# Altium PCB AIWAC-bolster-V02_Change.PcbDoc (part 1 of 2)
Units mm, origin at the board's own origin, x right, y up, seen from the top; angles counter-clockwise.
Board outline 76 x 70 mm, 2 copper layers (Top Layer, Bottom Layer); 187 components, 126 nets, 678 pads, 558 vias.
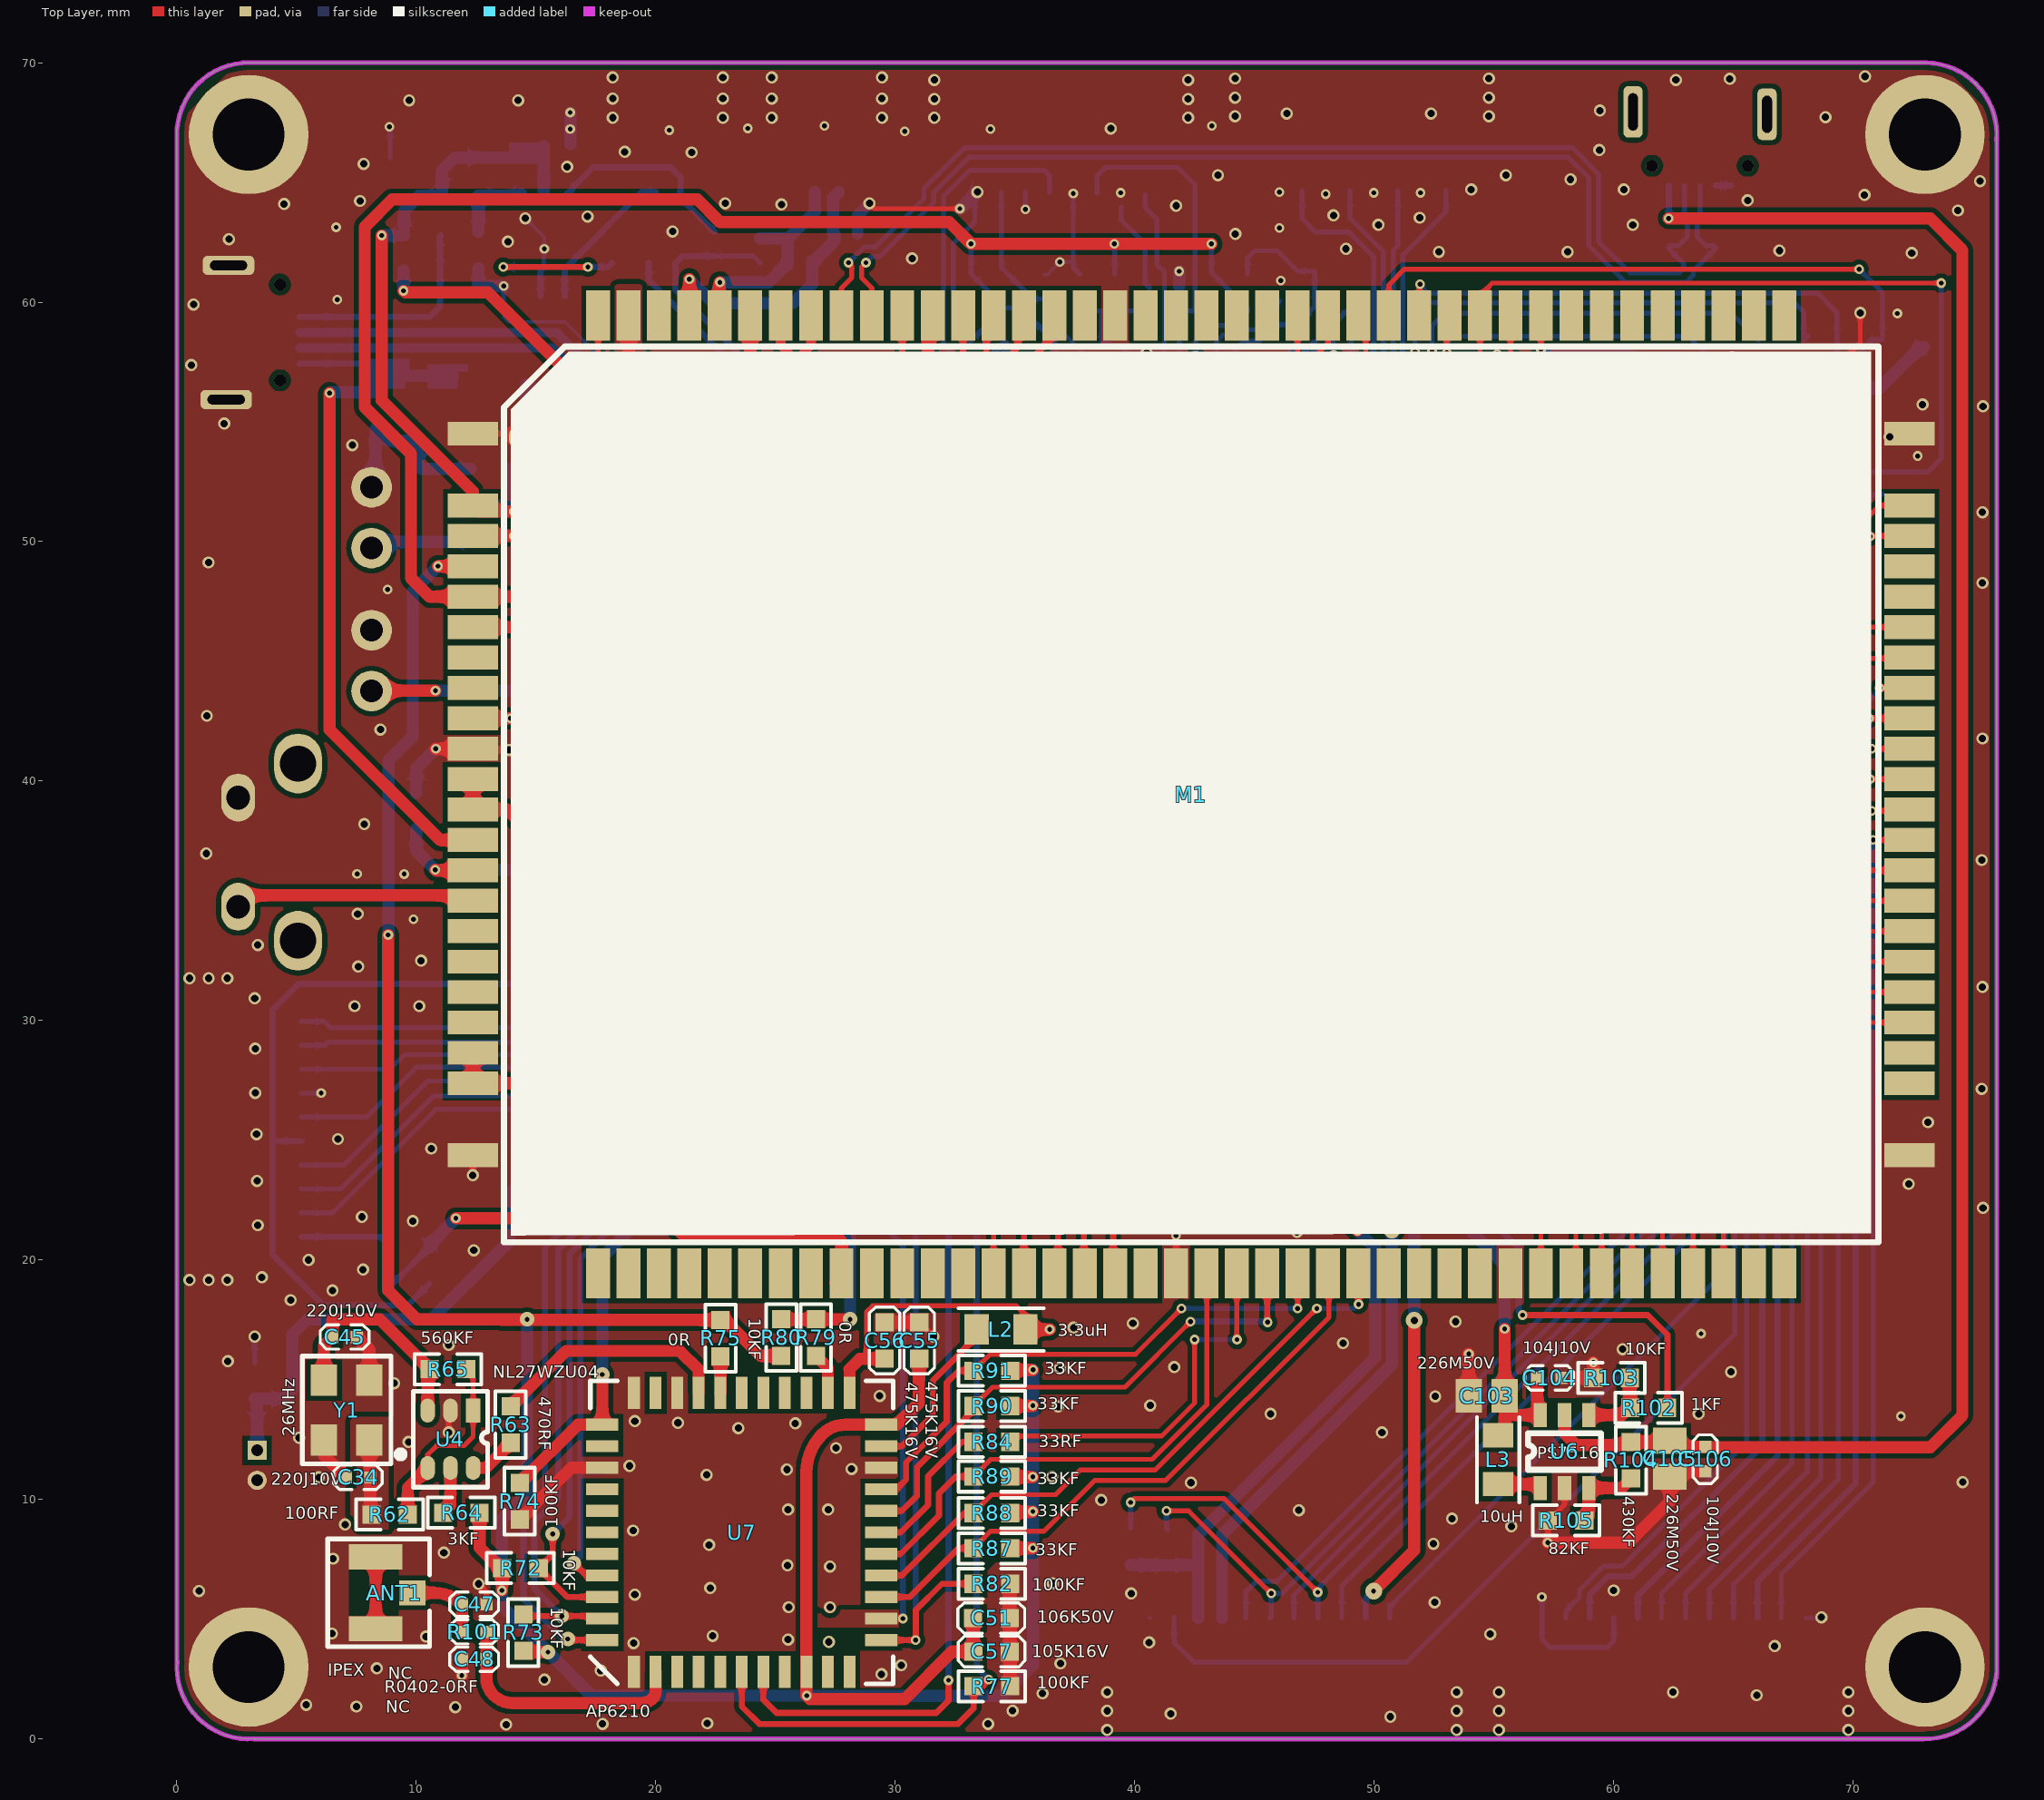
[diagram p0: Top Layer view]
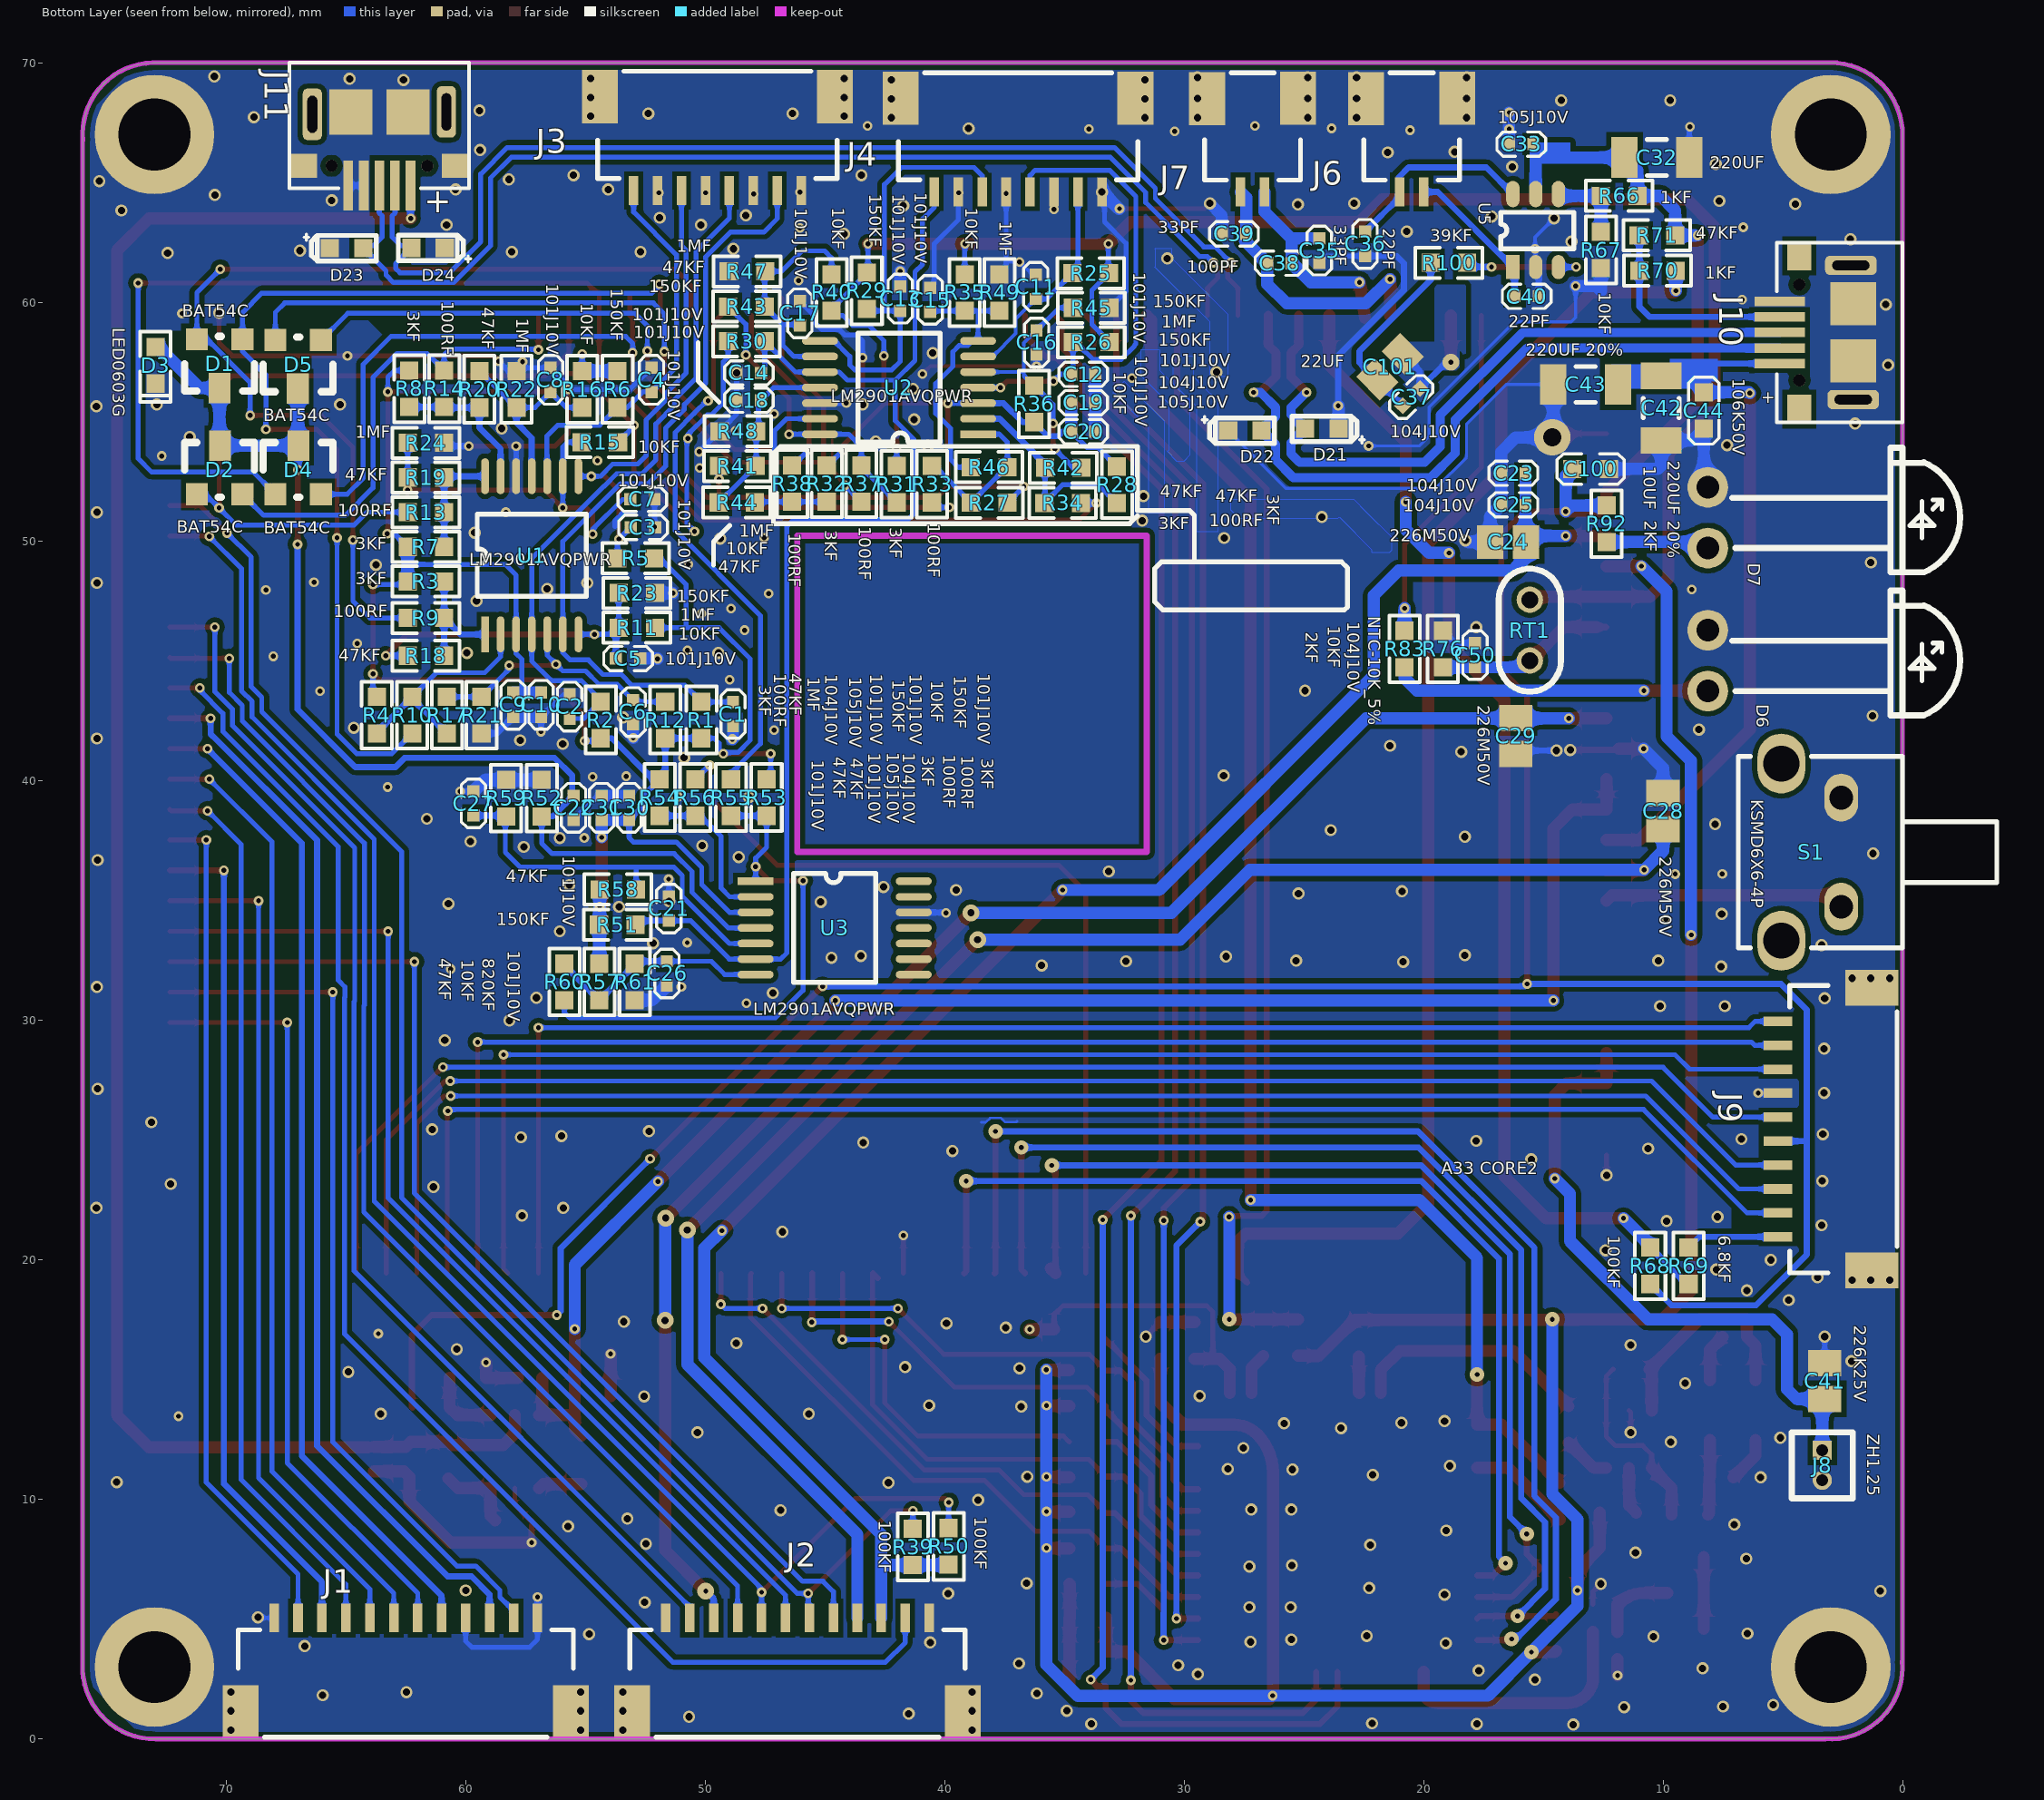
[diagram p1: Bottom Layer view, seen from below]
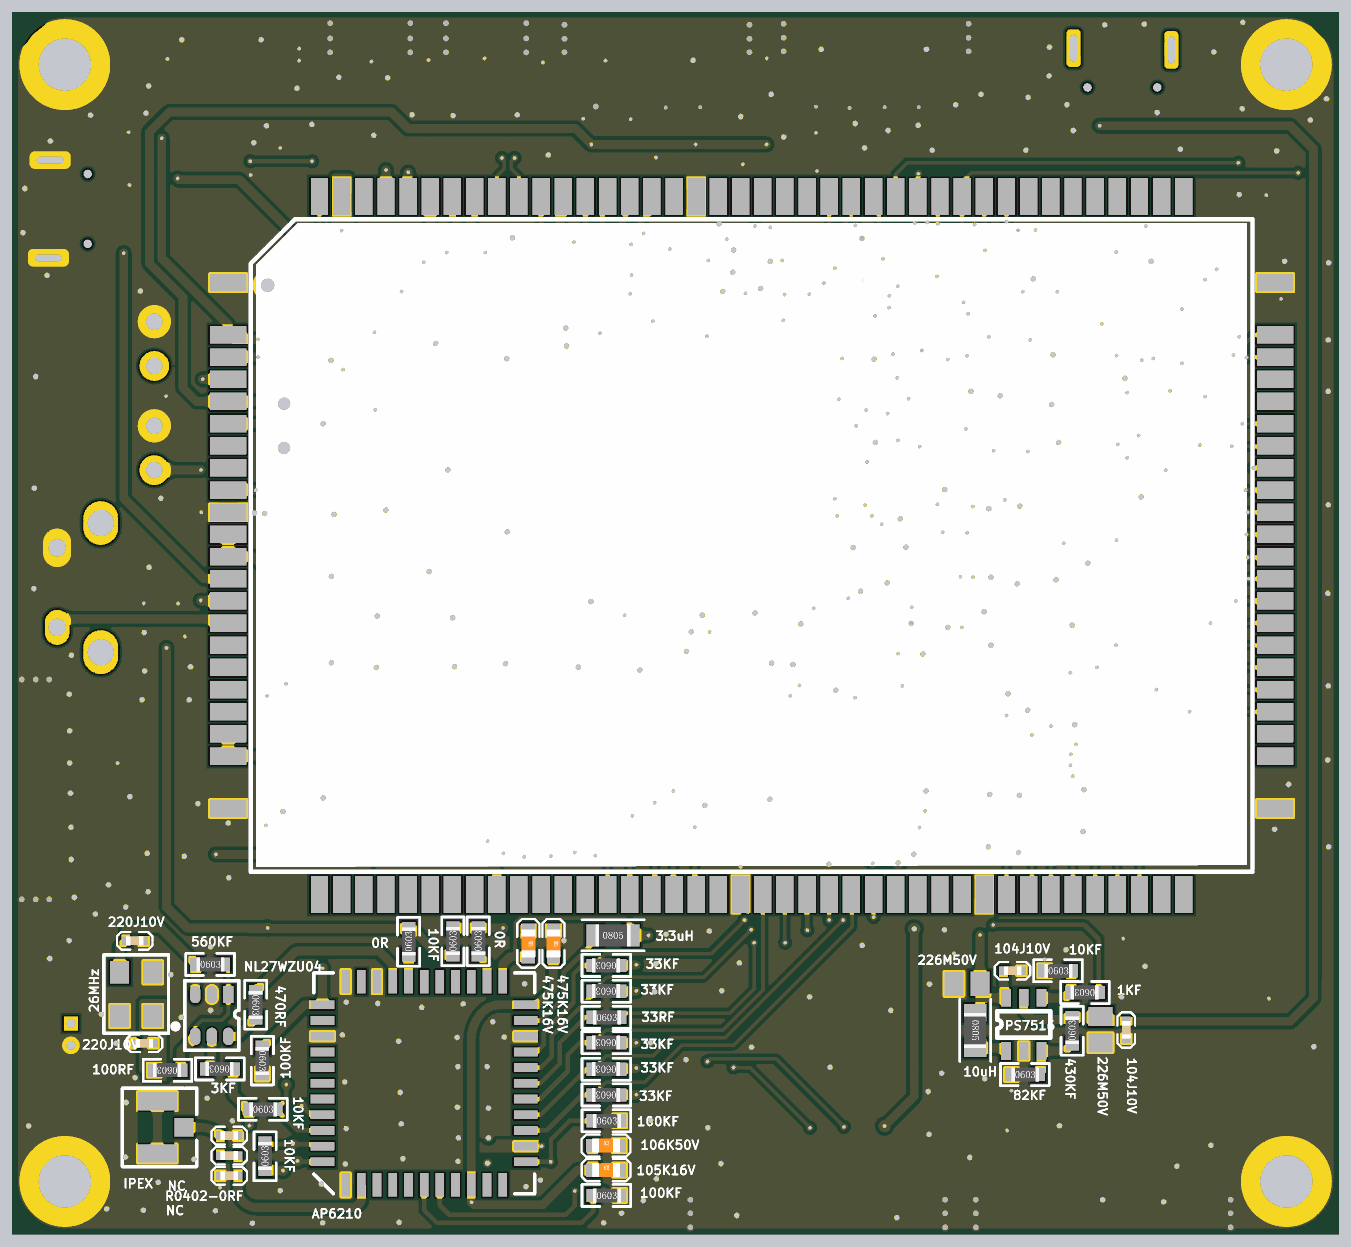
[diagram p3: 3D render of the assembled board from above, using the file's embedded part models]
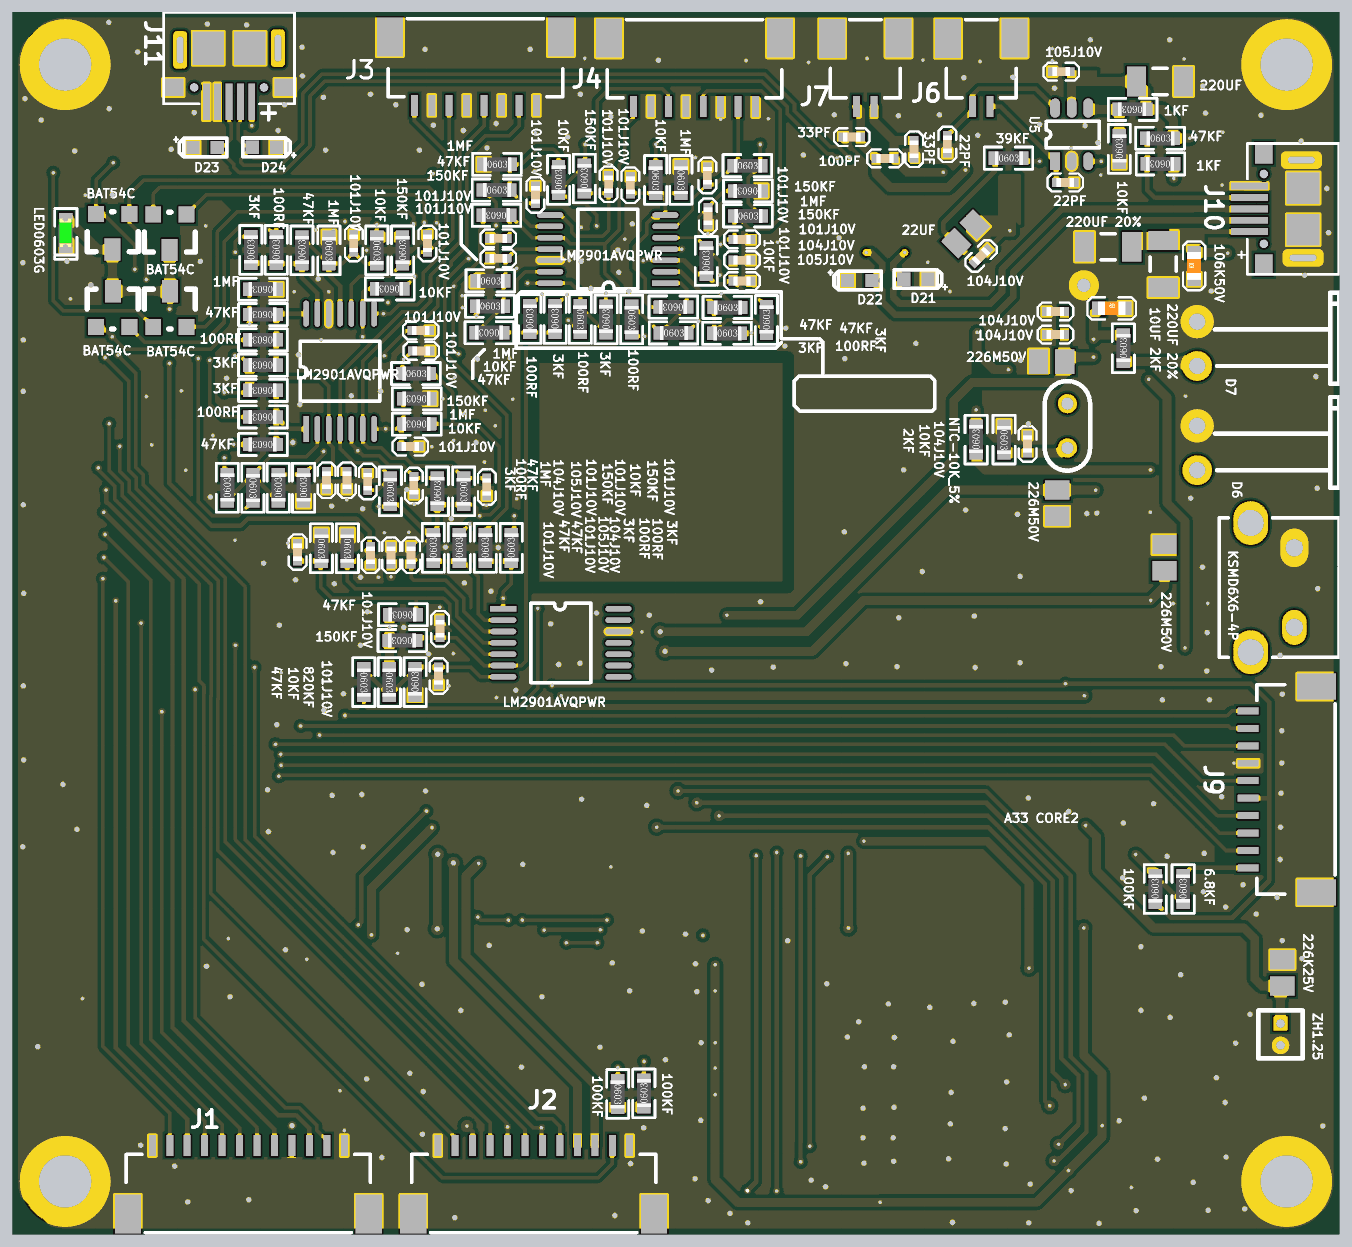
[diagram p4: 3D render of the assembled board from below, using the file's embedded part models]

## Layer stack, top to bottom
Top Solder: solder mask 0.0102, Solder Resist, Dk 3.5
Top Layer: signal copper 0.0356
Dielectric 1: dielectric 0.32, FR-4, Dk 4.8
Bottom Layer: signal copper 0.0356
Bottom Solder: solder mask 0.0102, Solder Resist, Dk 3.5

## Board outline
0,3.249 0,67.274 0.012,67.274 cw(c3,67) 3.025,70 73.076,70 73.076,69.999 cw(c73,67) 75.99,66.757 76,66.757 76,3.125 cw(c73,3) 72.95,-0.002 72.95,0 3.224,0 3.224,0.007 cw(c3,3)

## Design rules (kind name [scope] priority, off if disabled: settings)
Clearance Clearance_1 [All] p1: gap=0.203
DiffPairsRouting [All] p1: maxlimit=0.254 minlimit=0.203 mostfreqgap=0.203 toplayer_minwidth=0.203 toplayer_maxwidth=0.4 toplayer_prefwidth=0.203 bottomlayer_minwidth=0.203 bottomlayer_maxwidth=0.4 bottomlayer_prefwidth=0.203 maxuncoupledlength=12.7
MinimumSolderMaskSliver [All] p1: minsoldermaskwidth=0.051
PolygonConnect [All] p1: connectstyle=Direct reliefconductorwidth=0.254 reliefentries=4 polygonreliefangle="90 Angle" airgapwidth=0.254
RoutingVias [All] p1: holewidth=0.2 width=0.6 viastyle="Through Hole" minholewidth=0.1 minwidth=0.4 maxholewidth=0.3 maxwidth=0.7
SilkToSilkClearance [All] p1: silktosilkclearance=0.051
SilkToSolderMaskClearance [IsPad] p1: minsilkscreentomaskgap=0.051 clearancetoexposedcopper=TRUE
SolderMaskExpansion [All] p1: expansion=0.102
Width [All] p1: maxlimit=0.508 minlimit=0.102 preferedwidth=0.254 minimp=50.000000 maximp=50.000000 favimp=50.000000
26 further rules are at their usual default settings.

## Classes and differential pairs
differential pair NewDifferentialPair1: +USB-DM1 -USB-DP1

## Components (designator, comment, footprint, x,y, rotation, side; value= is the part's Value field where it differs from the comment)
ANT1 "IPEX" J-IPEX 8.3,7.6 r0 top
C1 "101J10V" C0402 48.838,42.288 r90 bottom
C2 "101J10V" C0402 55.658,43.616 r270 bottom
C3 "101J10V" C0402 52.089,50.594 r0 bottom
C4 "101J10V" C0402 52.241,57.261 r270 bottom
C5 "101J10V" C0402 53.727,45.115 r180 bottom
C6 "101J10V" C0402 53.016,43.388 r270 bottom
C7 "101J10V" C0402 53.13,51.762 r180 bottom
C8 "101J10V" C0402 56.458,56.245 r90 bottom
C9 "104J10V" C0402 58.02,42.677 r90 bottom
C10 "105J10V" C0402 56.851,43.693 r270 bottom
C11 "101J10V" C0402 36.2,61.15 r270 bottom
C12 "101J10V" C0402 33.703,56.984 r0 bottom
C13 "101J10V" C0402 41.853,60.652 r270 bottom
C14 "101J10V" C0402 48.685,57.045 r180 bottom
C15 "101J10V" C0402 40.608,59.585 r90 bottom
C16 "101J10V" C0402 36.163,58.823 r270 bottom
C17 "101J10V" C0402 46.05,59.025 r90 bottom
C18 "101J10V" C0402 47.669,55.902 r0 bottom
C19 "104J10V" C0402 33.703,55.796 r0 bottom
C20 "105J10V" C0402 34.719,54.596 r180 bottom
C21 "101J10V" C0402 51.517,35.182 r270 bottom
C22 "101J10V" C0402 55.5,38.375 r90 bottom
C23 "104J10V" C0402 15.741,52.854 r0 bottom
C24 "226M50V" C0805 16.466,49.984 r0 bottom
C25 "104J10V" C0402 15.741,51.533 r0 bottom
C26 "101J10V" C0402 51.601,32.474 r270 bottom
C27 "101J10V" C0402 59.678,38.556 r90 bottom
C28 "226M50V" C0805 10.001,38.744 r90 bottom
C29 "226M50V" C0805 16.15,41.875 r270 bottom
C30 "104J10V" C0402 53.175,39.391 r270 bottom locked
C31 "105J10V" C0402 54.325,38.375 r90 bottom
C32 "220UF" C1206 10.255,66.037 r0 bottom
C33 "105J10V" C0402 16.427,66.596 r180 bottom
C34 "220J10V" C0402 8.071,10.919 r180 top
C35 "33PF" C0402 24.352,61.643 r90 bottom
C36 "22PF" C0402 22.447,62.938 r270 bottom
C37 "104J10V" C0402 20.872,55.674 r135 bottom
C38 "100PF" C0402 25.509,61.625 r0 bottom
C39 "33PF" C0402 27.409,62.85 r0 bottom
C40 "22PF" C0402 16.199,60.246 r180 bottom
C41 "226K25V" C0805 3.25,14.95 r90 bottom
C42 "220UF 20%" C1206 10.077,55.572 r270 bottom
C43 "220UF 20%" C1206 13.231,56.563 r0 bottom
C44 "106K50V" C0603 8.299,54.708 r90 bottom
C45 "220J10V" C0402 6.496,16.786 r0 top
C47 "NC" C0402 12.925,5.625 r180 top
C48 "NC" C0402 11.909,3.325 r0 top
C50 "104J10V" C0402 17.85,44.752 r90 bottom
C51 "106K50V" C0603 33.25,5.05 r0 top
C55 "475K16V" C0603 31,17.4 r270 top
C56 "475K16V" C0603 29.559,17.4 r270 top
C57 "105K16V" C0603 33.26,3.65 r0 top
C100 "10UF" C0603 13.786,53.032 r180 bottom
C101 "22UF" C0805 21.4,57.3 r315 bottom
C103 "226M50V" C0805 54.7,14.325 r180 top
C104 "104J10V" C0402 57.816,15.075 r180 top
C105 "226M50V" C0805 62.35,11.7 r270 top
C106 "104J10V" C0402 63.825,11.175 r90 top
D1 "BAT54C" U-SOT-23-3 69.323,58.442 r0 bottom
D2 "BAT54C" U-SOT-23-3 71.228,51.978 r180 bottom
D3 "LED0603G" D-LED0603G 72.958,58.125 r270 bottom
D4 "BAT54C" U-SOT-23-3 67.951,51.978 r180 bottom
D5 "BAT54C" U-SOT-23-3 66.046,58.417 r0 bottom
D6 "发光二极管" LEDΦ5-H12 8.128,45.031 r270 bottom
D7 "发光二极管" LEDΦ5-H12 8.128,51 r270 bottom
D21 "ESDA_TR1/0603" HS_0603D 24.25,54.708 r0 bottom
D22 "ESDA_TR1/0603" HS_0603D 27.464,54.632 r180 bottom
D23 "ESDA_TR1/0603" HS_0603D 64.975,62.25 r180 bottom
D24 "ESDA_TR1/0603" HS_0603D 61.575,62.263 r0 bottom
J1 "SH1.0-T-1-LT-12A_卧式" J-SH1.0-T-1-LT-12A_卧式 68.005,5.052 r180 bottom
J2 "SH1.0-T-1-LT-12A_卧式" J-SH1.0-T-1-LT-12A_卧式 51.647,5.052 r180 bottom locked
J3 "SH1.0-T-1-LT-8A_卧式" J-SH1.0-T-1-LT-8A_卧式 45.99,64.66 r0 bottom locked
J4 "SH1.0-T-1-LT-8A_卧式" J-SH1.0-T-1-LT-8A_卧式 33.433,64.6 r0 bottom
J6 "SH1.0-T-1-LT-2A_卧式" J-SH1.0-T-1-LT-2A_卧式 20,64.6 r0 bottom
J7 "SH1.0-T-1-LT-2A_卧式" J-SH1.0-T-1-LT-2A_卧式 26.641,64.6 r0 bottom
J8 "ZH1.25" S1.25-2P 3.35,12.05 r270 bottom
J9 "SH1.0-T-1-LT-10A_卧式" J-SH1.0-T-1-LT-10A_卧式 5.207,20.965 r90 bottom
J10 "USB-MINI-SOCKET" "MICRO-USB - 5.9"#1 0,54.982 r90 bottom
J11 "USB-MINI-SOCKET" "MICRO-USB - 5.9"#2 59.857,70 r0 bottom
L2 "3.3uH" L0805 33.4,17.1 r0 top
L3 "10uH" L0805 55.175,12.675 r270 top
M1 "A33 CORE2" A33-CORE2 12.358,51.508 r0 top locked
R1 "150KF" R0603 50.158,43.312 r270 bottom
R2 "150KF" R0603 54.362,43.312 r270 bottom
R3 "3KF" R0603 60.903,48.333 r0 bottom
R4 "3KF" R0603 63.709,41.991 r90 bottom
R5 "150KF" R0603 53.664,49.298 r180 bottom
R6 "150KF" R0603 53.664,55.597 r90 bottom
R7 "3KF" R0603 60.903,49.781 r0 bottom
R8 "3KF" R0603 62.357,55.623 r90 bottom
R9 "100RF" R0603 60.903,46.809 r0 bottom
R10 "100RF" R0603 62.236,43.515 r270 bottom
R11 "10KF" R0603 52.089,46.403 r0 bottom
R12 "10KF" R0603 51.67,41.788 r90 bottom
R13 "100RF" R0603 60.903,51.229 r0 bottom
R14 "100RF" R0603 60.903,55.623 r90 bottom
R15 "10KF" R0603 53.638,54.15 r0 bottom
R16 "10KF" R0603 55.137,57.121 r270 bottom
R17 "47KF" R0603 60.788,41.991 r90 bottom
R18 "47KF" R0603 60.903,45.234 r0 bottom
R19 "47KF" R0603 60.903,52.676 r0 bottom
R20 "47KF" R0603 59.429,55.597 r90 bottom
R21 "1MF" R0603 59.341,41.991 r90 bottom
R22 "1MF" R0603 57.88,57.121 r270 bottom
R23 "1MF" R0603 52.089,47.85 r0 bottom
R24 "1MF" R0603 60.903,54.124 r0 bottom
R25 "150KF" R0603 34.664,61.211 r180 bottom
R26 "150KF" R0603 34.639,58.33 r180 bottom
R27 "3KF" R0603 38.9,51.625 r180 bottom
R28 "3KF" R0603 32.81,51.61 r90 bottom
R29 "150KF" R0603 43.25,59.712 r90 bottom
R30 "150KF" R0603 47.517,58.366 r0 bottom
R31 "3KF" R0603 42.005,51.635 r90 bottom
R32 "3KF" R0603 44.926,51.66 r90 bottom
R33 "100RF" R0603 40.532,53.159 r270 bottom
R34 "100RF" R0603 35.833,51.61 r180 bottom
R35 "10KF" R0603 39.16,61.16 r270 bottom
R36 "10KF" R0603 36.265,54.988 r90 bottom
R37 "100RF" R0603 43.478,53.184 r270 bottom
R38 "100RF" R0603 46.374,51.66 r90 bottom
R39 "100KF" R0603 41.333,8.779 r270 bottom
R40 "10KF" R0603 44.723,59.636 r90 bottom
R41 "10KF" R0603 49.422,53.159 r180 bottom
R42 "47KF" R0603 35.811,53.083 r180 bottom
R43 "47KF" R0603 49.041,59.814 r180 bottom
R44 "47KF" R0603 47.923,51.635 r0 bottom
R45 "1MF" R0603 33.115,59.763 r0 bottom
R46 "47KF" R0603 37.382,53.108 r0 bottom
R47 "1MF" R0603 49.015,61.287 r180 bottom
R48 "1MF" R0603 49.396,54.607 r180 bottom
R49 "1MF" R0603 37.712,61.16 r270 bottom
R50 "100KF" R0603 39.834,7.28 r90 bottom
R51 "150KF" R0603 52.91,33.998 r0 bottom
R52 "47KF" R0603 56.827,40.049 r270 bottom
R53 "3KF" R0603 47.436,38.548 r90 bottom
R54 "3KF" R0603 51.901,38.548 r90 bottom
R55 "100RF" R0603 48.924,38.548 r90 bottom
R56 "100RF" R0603 50.412,38.548 r90 bottom
R57 "10KF" R0603 54.421,32.373 r270 bottom
R58 "47KF" R0603 52.884,35.472 r0 bottom
R59 "47KF" R0603 58.315,40.049 r270 bottom
R60 "47KF" R0603 55.881,32.373 r270 bottom
R61 "820KF" R0603 52.948,30.849 r90 bottom
R62 "100RF" R0603 9.645,9.369 r180 top
R63 "470RF" R0603 13.938,13.891 r270 top
R64 "3KF" R0603 12.643,9.446 r180 top
R65 "560KF" R0603 10.56,15.44 r0 top
R66 "1KF" R0603 11.068,64.437 r0 bottom
R67 "10KF" R0603 12.592,61.414 r90 bottom
R68 "100KF" R0603 10.534,18.996 r90 bottom
R69 "6.8KF" R0603 8.934,18.996 r90 bottom
R70 "1KF" R0603 9.468,61.312 r0 bottom
R71 "47KF" R0603 11.017,62.786 r180 bottom
R72 "10KF" R0603 13.582,7.134 r0 top
R73 "10KF" R0603 14.471,3.68 r90 top
R74 "100KF" R0603 14.319,10.69 r270 top
R75 "0R" R0603 22.701,15.973 r90 top
R76 "10KF" R0603 19.196,46.276 r270 bottom
R77 "100KF" R0603 33.273,2.2 r0 top
R79 "0R" R0603 26.689,15.999 r90 top
R80 "10KF" R0603 25.241,15.999 r90 top
R82 "100KF" R0603 33.273,6.475 r0 top
R83 "2KF" R0603 20.796,44.752 r90 bottom
R84 "33RF" R0603 33.273,12.403 r0 top
R87 "33KF" R0603 34.797,7.958 r180 top
R88 "33KF" R0603 34.797,9.432 r180 top
R89 "33KF" R0603 34.797,10.956 r180 top
R90 "33KF" R0603 34.797,13.902 r180 top
R91 "33KF" R0603 34.797,15.375 r180 top
R92 "2KF" R0603 12.358,49.984 r90 bottom
R100 "39KF" R0603 19.704,61.643 r180 bottom
R101 "R0402-0RF" C0402 11.909,4.475 r0 top
R102 "1KF" R0603 62.225,13.825 r180 top
R103 "10KF" R0603 59.151,15.075 r0 top
R104 "430KF" R0603 60.725,10.876 r90 top
R105 "82KF" R0603 57.25,9.125 r0 top
RT1 "NTC-10K_5%" R-NTC-10K 15.564,45.031 r90 bottom
S1 "KSMD6X6-4P" SW2-6*6H 3.81,37.03 r90 bottom
U1 "LM2901AVQPWR" U-TSSOP14 59.195,46.127 r90 bottom
U2 "LM2901AVQPWR" U-TSSOP14 38.605,54.481 r0 bottom locked
U3 "LM2901AVQPWR" U-TSSOP14 47.894,35.815 r180 bottom
U4 "NL27WZU04" U-TSOP-6 12.373,13.713 r270 top
U5 "PAM8301AAF" U-TSOT26 16.27,61.463 r0 bottom
U6 "PS7516" U-SOT-23-6 56.934,10.475 r180 top
U7 "AP6210" AP6210 19.09,2.798 r90 top locked